# Altium PCB CPU_CARD.pcbdoc (part 6 of 10) (continued)
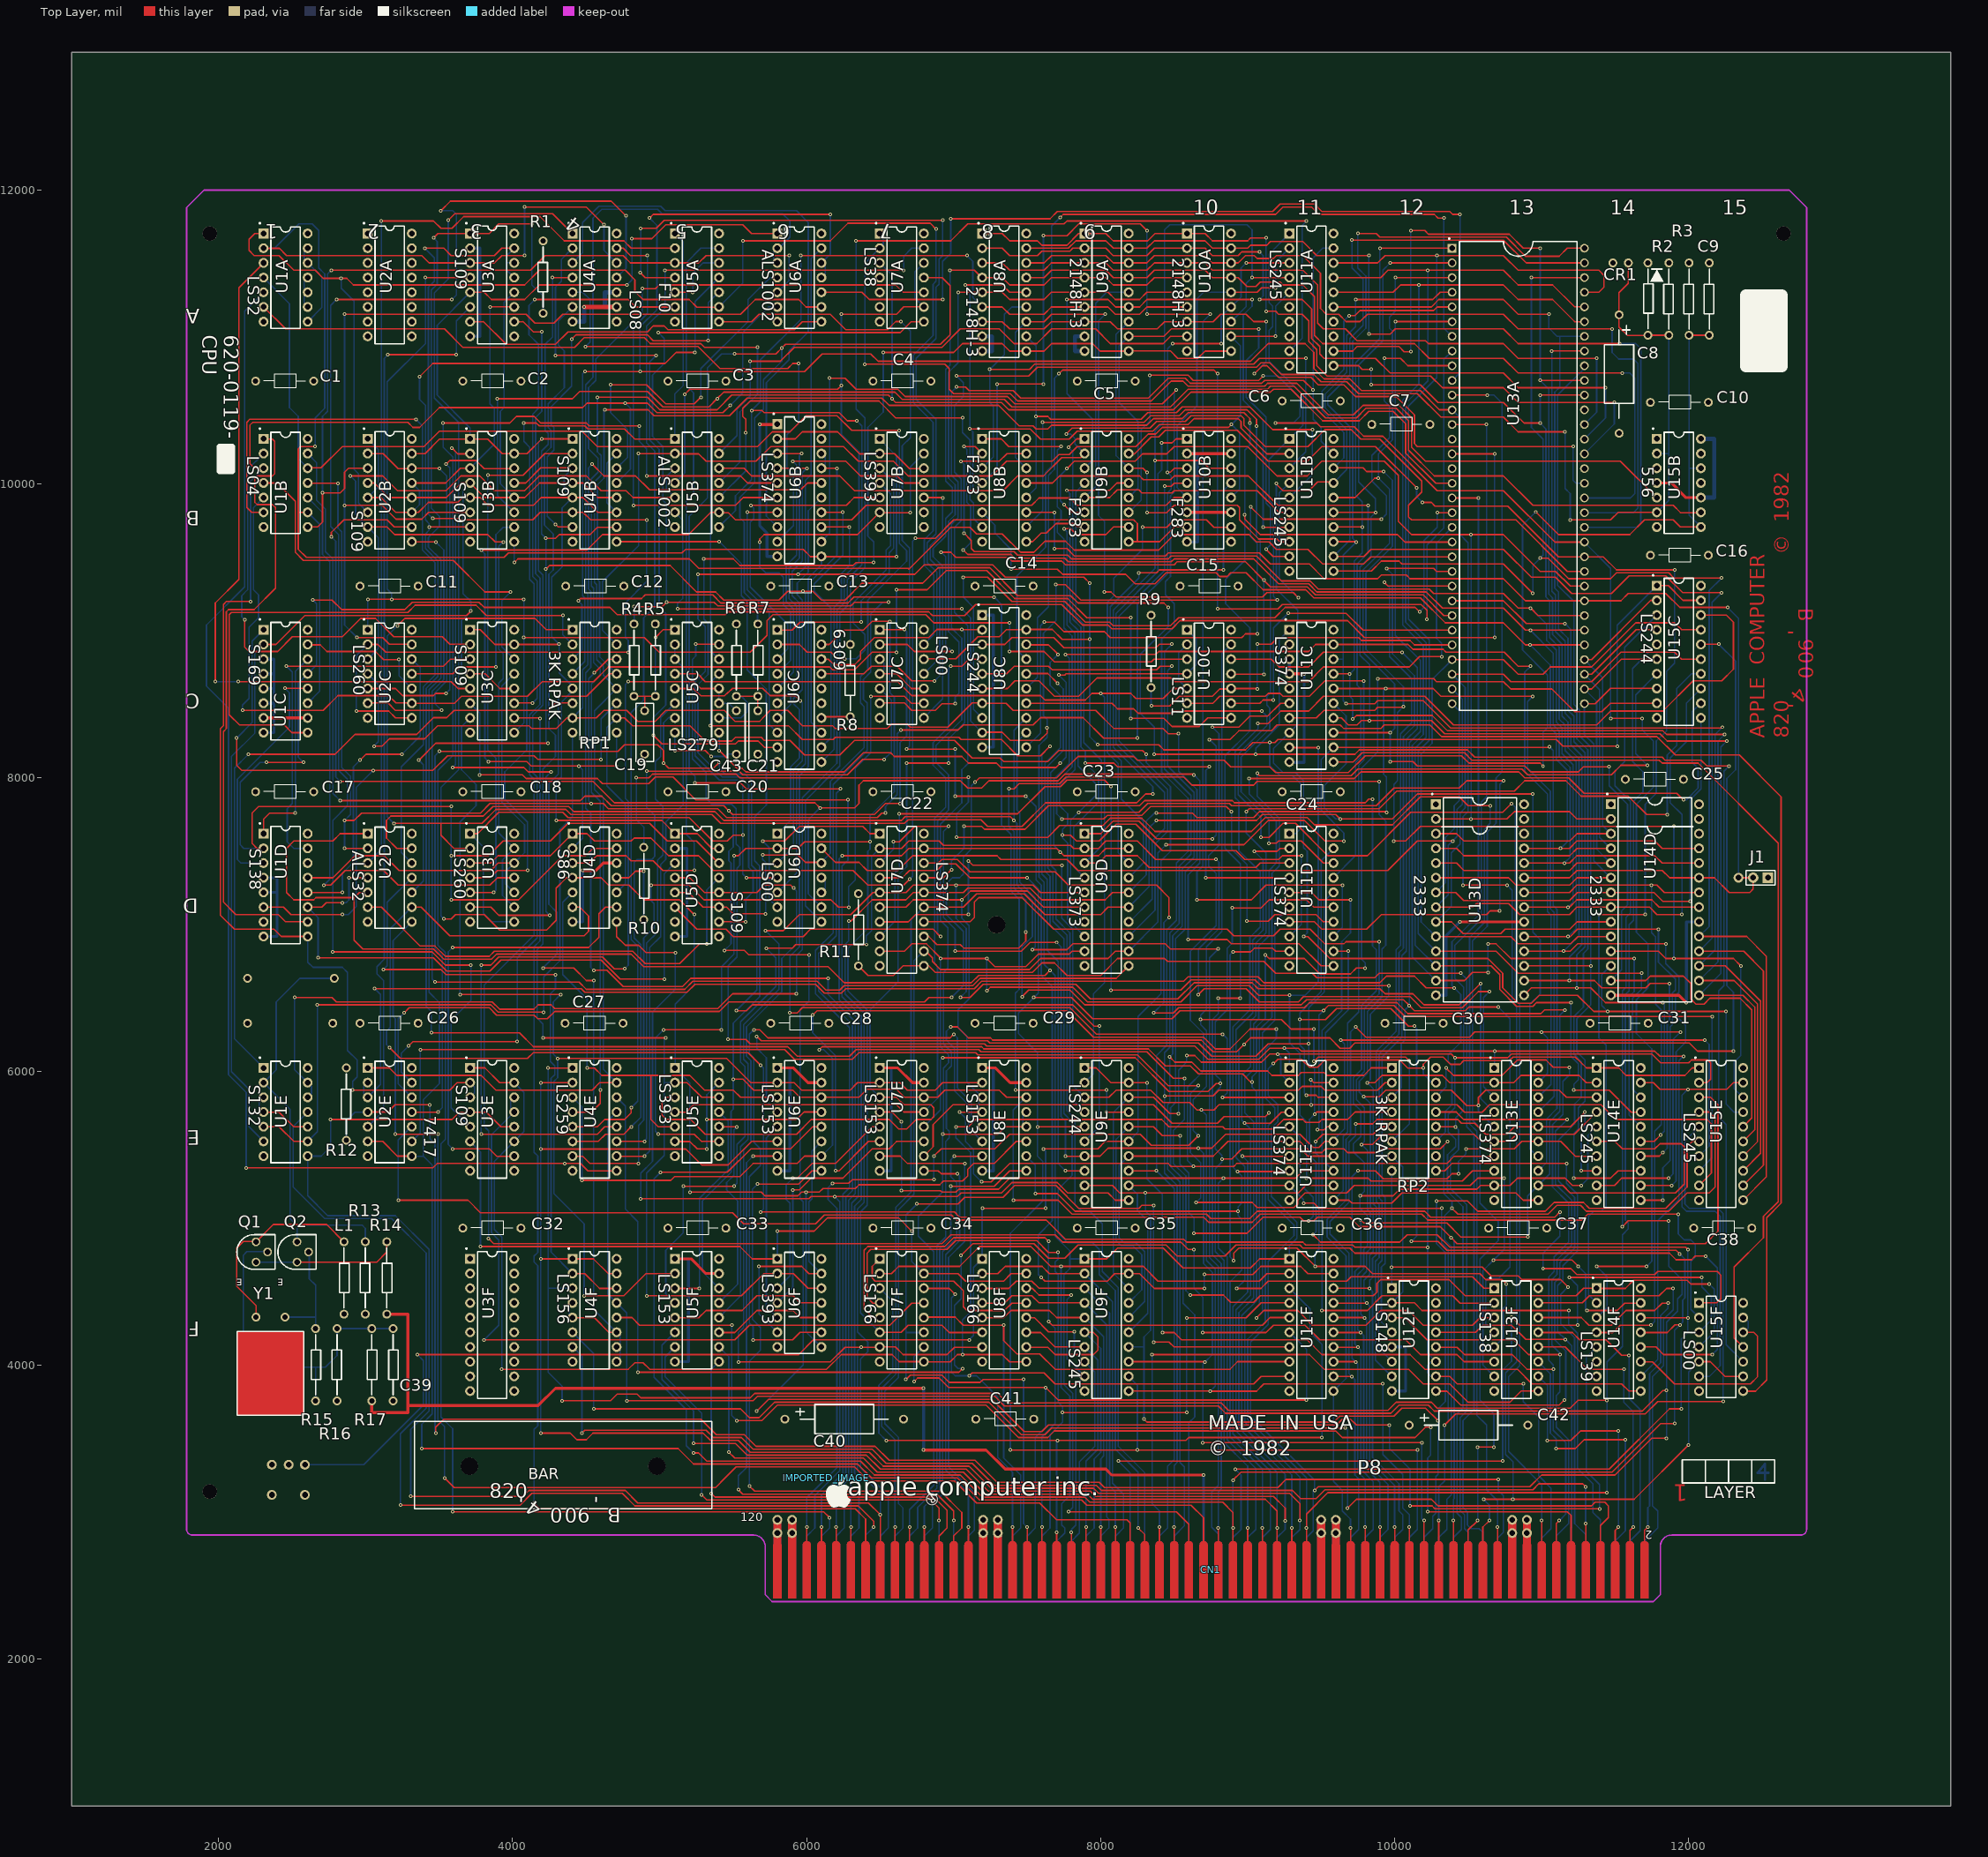
[diagram p0: Top Layer view]
## Nets (pads, with @x,y where several pads share a name; then routed paths per layer and width w, separated by ;. In a path a pad name is that pad's centre, name@x,y a point inside that pad or via, vN(x,y) a via of type N, cw(c..) or ccw(c..) an arc to the next point about the centre after c; other vN are vias at no path point) (continued)
  Bottom Layer w10: v1(6926.7,11252.2) 6926.7,11512.2 6981.7,11567.2 v1(6981.7,11802.2) ; U13A.10@10392.71,10701.93 10446.7,10755.92 v1(10446.7,11832.2)
/CMUX: U4B.9 U5F.14 U6E.14 U7E.14 U8E.14 U15F.1 | length 14859.7
  Top Layer w10: U4B.9@4707.68,9604.3 v1(5406.7,9604.29) ; v1(5501.7,5946.33) 5567.6,5946.3 5641.7,5872.2 5906.7,5872.2 5956.7,5822.2 U6E.14@6101.38,5822.81 6356.7,5822.8 6411.1,5877.2 6611.7,5877.2 6666.1,5822.8 U7E.14@6798.23,5822.81 6892.3,5822.8 6941.7,5872.2 7311.7,5872.2 7361.1,5822.8 U8E.14@7495.08,5822.81 ; v1(7406.7,5122.2) 7711.7,5122.2 7806.7,5027.2 8721.7,5027.2 8751.7,4997.2 9016.7,4997.2 9066.7,5047.2 10206.7,5047.2 10246.7,5007.2 11091.7,5007.2 v1(11126.7,5042.2) ; v1(11011.7,4657.2) 11201.7,4657.2 11241.7,4617.2 11771.7,4617.2 11791.7,4637.2 12196.7,4637.2 12221.7,4612.2 12221.7,4452.2 12193.1,4423.6 U15F.1@12073.02,4423.59
  Bottom Layer w10: U5F.14@5404.53,4523.6 5291.7,4636.4 5291.7,5117.2 5486.7,5312.2 5486.7,5727.2 5501.7,5742.2 v1(5501.7,5946.33) 5501.7,6327.2 5681.7,6507.2 5681.7,7397.2 5646.7,7432.2 5646.7,7732.2 5726.7,7812.2 5726.7,8602.2 5596.7,8732.2 5596.7,9197.2 5556.7,9237.2 5556.7,9454.3 v1(5406.7,9604.29) ; v1(7406.7,5122.2) 7406.7,5737.2 7492.3,5822.8 U8E.14@7495.08,5822.81 ; v1(11011.7,4657.2) 11011.7,4762.2 11126.7,4877.2 v1(11126.7,5042.2)
/CPUC1: U2B.7 U2C.3 U3D.9 U3D.13 U5B.3 U5B.5 | length 7634.4
  Top Layer w10: v1(2896.7,10052.2) 3116.7,10052.2 3216.7,9952.2 3546.7,9952.2 3646.7,10052.2 3776.7,10052.2 3876.7,9952.2 4081.7,9952.2 4181.7,10052.2 4501.7,10052.2 4601.7,9952.2 4771.7,9952.2 4819.6,9904.3 U5B.5@5104.53,9904.29 ; U2B.7@3013.99,9704.29 3144.6,9704.3 3196.7,9652.2 3831.7,9652.2 3881.7,9602.2 v1(3936.7,9602.2)
  Bottom Layer w10: v1(2896.7,10052.2) 2931.7,10017.2 2931.7,9786.6 U2B.7@3013.99,9704.29 3086.7,9631.6 3086.7,8877.8 U2C.3@3013.98,8805.08 ; v1(3936.7,9602.2) 3906.7,9572.2 3906.7,8872.2 3936.7,8842.2 3936.7,8672.2 3906.7,8642.2 3906.7,7621.4 U3D.13@4010.83,7517.29 3931.7,7438.2 3931.7,7196.4 U3D.9@4010.83,7117.29 ; U5B.5@5104.53,9904.29 5046.7,9962.1 5046.7,10046.5 U5B.3@5104.53,10104.29
/CSYNC: CN1.67 U6B.12 U9E.13 | length 12173.5
  Top Layer w10: v1(6156.7,10717.2) 6261.7,10717.2 6336.7,10642.2 6621.7,10642.2 6671.7,10592.2 7366.7,10592.2 7416.7,10542.2 8421.7,10542.2 v1(8516.7,10637.2) ; U9E.13@8191.92,5322.8 8381.1,5322.8 v1(8381.7,5322.2)
  Bottom Layer w10: U6B.12@6101.38,9604.29 6101.38,9606.88 6156.7,9662.2 v1(6156.7,10717.2) ; CN1.67@8401.8,2607.24 8401.85,2837.35 8456.7,2892.2 8456.7,3312.2 8501.7,3357.2 8501.7,5202.2 v1(8381.7,5322.2) 8381.7,6107.2 8451.7,6177.2 8451.7,6962.2 8516.7,7027.2 8516.7,7417.2 8596.7,7497.2 8596.7,7857.2 8416.7,8037.2 8416.7,8942.2 8501.7,9027.2 8501.7,9182.2 8441.7,9242.2 8441.7,9332.2 8476.7,9367.2 8476.7,9917.2 8501.7,9942.2 8501.7,10622.2 v1(8516.7,10637.2)
/DBON: U14E.19 U15E.19 U15F.6 | length 3028.2
  Top Layer w10: U14E.19@11676.17,5922.8 11761.7,5922.8 11807.3,5877.2 v1(11996.7,5877.2) 12261.7,5877.2 12306.7,5922.2 U15E.19@12373.02,5922.8
  Bottom Layer w10: v1(11996.7,5877.2) 11956.7,5837.2 11956.7,5077.2 11986.7,5047.2 12181.7,5047.2 12216.7,5012.2 12216.7,3997.2 12141.7,3922.2 12074.4,3922.2 U15F.6@12073.02,3923.59
/DTACK: CN1.62 R1.1 U2E.6 U2E.8 U3A.1 | length 16155.8
  Top Layer w10: U2E.6@3013.98,5522.8 3116.1,5522.8 3216.1,5422.8 U2E.8@3313.98,5422.8 ; v1(3381.7,3432.2) 5126.7,3432.2 5231.7,3327.2 6346.7,3327.2 6441.7,3232.2 7026.7,3232.2 7176.7,3082.2 7871.7,3082.2 7906.7,3047.2 8616.7,3047.2 8701.88,2962.02 8701.88,2607.2 ; v1(3461.7,11672.2) 3491.7,11702.2 U3A.1@3710.8,11702.2 ; U3A.1@3710.83,11701.93 3841.4,11701.9 3906.7,11767.2 v1(4131.7,11767.2)
  Bottom Layer w10: U2E.8@3313.98,5422.8 3391.7,5422.2 ; v1(3381.7,3432.2) 3381.7,3597.2 3451.7,3667.2 3451.7,5362.2 3391.7,5422.2 ; v1(3461.7,11672.2) 3486.7,11647.2 3486.7,11357.2 3446.7,11317.2 3446.7,9832.2 3501.7,9777.2 3501.7,9707.2 3426.7,9632.2 3426.7,9567.2 3511.7,9482.2 3511.7,8677.2 3431.7,8597.2 3431.7,6537.2 3501.7,6467.2 3501.7,5917.2 3391.7,5807.2 3391.7,5422.2 ; v1(4131.7,11767.2) 4131.7,11352.2 4207.7,11276.2 R1.1@4207.7,11158.8
/HDER: CN1.112 R7.1 U7A.11 | length 13747.5
  Top Layer w10: v1(5241.7,7962.2) 5551.7,7962.2 5591.7,7922.2 v1(6231.7,7922.2) ; v1(5511.7,10882.2) 5791.7,10882.2 v1(5831.7,10922.2) 5856.7,10947.2 6911.7,10947.2 6976.7,11012.2 6976.7,11347.2 6922,11401.9 U7A.11@6798.23,11401.92 ; CN1.112@6201.56,2607.22 6201.61,2897.11 v1(6201.7,2897.2) 6201.7,2895.35 v1@6203.27,2893.78
  Bottom Layer w10: v1(5241.7,7962.2) 5241.7,8007.2 5201.7,8047.2 5201.7,9777.2 5326.7,9902.2 5326.7,10787.2 5421.7,10882.2 v1(5511.7,10882.2) ; R7.1@5668.3,9044.47 5666.7,9046.1 5666.7,9167.2 5576.7,9257.2 5576.7,9737.2 5546.7,9767.2 5546.7,9907.2 5646.7,10007.2 5646.7,10447.2 5706.7,10507.2 5706.7,10707.2 5831.7,10832.2 v1(5831.7,10922.2) ; v1(6201.7,2897.2) 6201.7,3177.2 6266.7,3242.2 6266.7,5142.2 6311.7,5187.2 6311.7,6317.2 6081.7,6547.2 6081.7,6802.2 6201.7,6922.2 6201.7,7892.2 v1(6231.7,7922.2)
/HDMSK: C43.2 U4E.12 U5C.11 U5C.12 | length 5981.2
  Top Layer w10: v1(3786.7,5572.2) 4576.7,5572.2 4626.7,5622.2 U4E.12@4707.68,5622.81 ; v1(3786.7,6722.2) 3851.7,6722.2 3906.7,6777.2 4611.7,6777.2 4691.7,6697.2 v1(4761.7,6697.2) ; v1(4786.7,8652.2) 5234.57,8652.2 5281.7,8605.07 U5C.12@5404.53,8605.08
  Bottom Layer w10: v1(3786.7,5572.2) v1(3786.7,6722.2) ; v1(4761.7,6697.2) 4786.7,6722.2 4786.7,7837.2 4766.7,7857.2 4766.7,8632.2 v1(4786.7,8652.2) ; U5C.12@5404.53,8605.08 U5C.11@5404.53,8505.08 5471.43,8505.07 C43.2@5522.6,8453.9
/HPIR: U10C.12 U12F.4 | length 6045.7
  Top Layer w10: U10C.12@8888.77,8805.08 9161.7,8805.08 9214.58,8752.2 9416.7,8752.2 9516.7,8852.2 v1(10051.7,8852.2)
  Bottom Layer w10: U12F.4@9982.48,4223.6 9911.7,4294.4 9911.7,4667.2 9936.7,4692.2 9936.7,5142.2 9916.7,5162.2 9916.7,6097.2 10051.7,6232.2 10051.7,6787.2 10081.7,6817.2 10081.7,8257.2 10156.7,8332.2 10156.7,8747.2 v1(10051.7,8852.2)
/HSYNC: CN1.111 U6B.16 | length 10970.3
  Top Layer w10: v1(4541.7,10132.2) 4621.7,10052.2 4836.7,10052.2 4931.7,9957.2 5959.6,9957.2 6006.7,10004.3 U6B.16@6101.38,10004.29 ; v1(4551.7,6687.2) 4641.7,6687.2 4751.7,6577.2 5156.7,6577.2 5211.7,6632.2 6026.7,6632.2 v1(6146.7,6632.2)
  Bottom Layer w10: v1(4541.7,10132.2) 4516.7,10107.2 4516.7,9282.2 4531.7,9267.2 4531.7,8747.2 4496.7,8712.2 4496.7,7790.7 4498.2,7790.7 4531.7,7757.2 4531.7,6707.2 v1(4551.7,6687.2) ; v1(6146.7,6632.2) 6146.7,6522.2 6331.7,6337.2 6331.7,5167.2 6286.7,5122.2 6286.7,3222.2 6256.7,3192.2 6256.7,2892.2 6201.61,2837.11 CN1.111@6201.56,2607.24
/IAK0: CN1.8 U4F.6 | length 8722.2
  Top Layer w10: v1(4551.7,3702.2) 5551.7,3702.2 5611.7,3642.2 5676.7,3642.2 5781.7,3747.2 7241.7,3747.2 7461.7,3527.2 7621.7,3527.2 7666.7,3572.2 v1(9666.7,3572.2) ; v1(9681.7,3027.2) 9741.7,3087.2 10251.7,3087.2 10296.7,3042.2 11341.7,3042.2 11366.7,3067.2 11431.7,3067.2 11456.7,3042.2 11456.7,2962.2 11402.17,2907.67 11402.17,2607.2
  Bottom Layer w10: U4F.6@4407.68,4223.6 4551.7,4079.59 v1(4551.7,3702.2) ; v1(9666.7,3572.2) 9681.7,3557.2 v1(9681.7,3027.2)
/IAK1: CN1.10 U4F.7 | length 8260.2
  Top Layer w10: v1(4471.7,3537.2) 4491.7,3557.2 5316.7,3557.2 5366.7,3507.2 5556.7,3507.2 5636.7,3427.2 6446.7,3427.2 6541.7,3332.2 7126.7,3332.2 7276.7,3182.2 7971.7,3182.2 8006.7,3147.2 9306.7,3147.2 9361.7,3092.2 9466.7,3092.2 9526.7,3152.2 10941.7,3152.2 10981.7,3192.2 11281.7,3192.2 v1(11301.7,3172.2) ; v1(11301.7,2922.2) 11302.16,2921.74 11302.16,2607.2
  Bottom Layer w10: U4F.7@4407.68,4123.6 4410.31,4123.6 4471.7,4062.2 v1(4471.7,3537.2) ; v1(11301.7,2922.2) v1(11301.7,3172.2)
/IAK2: CN1.12 U4F.12 | length 8329.5
  Top Layer w10: U4F.12@4707.68,4323.6 4811.7,4323.6 4863.09,4272.2 v1(5491.7,4272.2) ; v1(5526.7,3622.2) 5696.7,3622.2 5801.7,3727.2 7221.7,3727.2 7441.7,3507.2 7641.7,3507.2 7686.7,3552.2 9601.7,3552.2 9646.7,3507.2 10141.7,3507.2 10211.7,3577.2 v1(10246.7,3577.2) ; v1(10226.7,3002.2) 11176.7,3002.2 11202.14,2976.76 CN1.12@11202.09,2607.22
  Bottom Layer w10: v1(5491.7,4272.2) 5491.7,3657.2 v1(5526.7,3622.2) ; v1(10226.7,3002.2) 10226.7,3367.2 10246.7,3387.2 v1(10246.7,3577.2)
/INITIO: CN1.68 U13F.9 | length 4279.6
  Top Layer w10: v1(8351.7,4072.2) 9421.7,4072.2 9521.7,3972.2 10096.7,3972.2 10196.7,3872.2 10376.7,3872.2 10501.7,3747.2 10786.7,3747.2 10863.1,3823.6 U13F.9@10979.32,3823.6 ; v1(8401.7,2897.2) 8401.84,2897.06 CN1.68@8401.8,2607.23
  Bottom Layer w10: v1(8351.7,4072.2) 8351.7,3057.2 8401.7,3007.2 v1(8401.7,2897.2)
/INT0: CN1.7 RP2.7 U12F.2 | length 4140.4
  Top Layer w10: U12F.2@9982.48,4423.6 10136.7,4423.6 10188.09,4372.2 v1(11186.7,4372.2)
  Bottom Layer w10: U12F.2@9982.48,4423.6 10056.7,4497.8 10056.7,5348.59 RP2.7@9982.48,5422.81 ; v1(11186.7,4372.2) 11186.7,4277.2 11246.7,4217.2 11246.7,3297.2 11351.7,3192.2 11351.7,2997.2 11402.18,2946.72 11402.18,2607.2
/INT1: CN1.9 RP2.8 U12F.1 | length 4072.1
  Top Layer w10: v1(9981.7,4667.2) 10596.7,4667.2 10656.7,4607.2 10836.7,4607.2 10841.7,4607.2 10866.7,4582.2 11131.7,4582.2 v1(11181.7,4532.2)
  Bottom Layer w10: U12F.1@9982.48,4523.6 9981.7,4524.4 v1(9981.7,4667.2) 9981.7,5322 RP2.8@9982.48,5322.81 ; v1(11181.7,4532.2) 11131.7,4482.2 11131.7,4282.2 11226.7,4187.2 11226.7,2922.2 11302.17,2846.73 11302.17,2607.2
/INT2: CN1.11 RP2.9 U12F.13 | length 4744.7
  Top Layer w10: U12F.13@10282.48,4223.6 10553.1,4223.6 10601.7,4272.2 10796.7,4272.2 10893.9,4175 v1(11163.91,4174.99) ; RP2.9@10282.48,5322.81 10342.3,5322.8 10391.7,5372.2 v1(11171.7,5372.2)
  Bottom Layer w10: v1(11171.7,5372.2) 11171.7,5237.2 11246.7,5162.2 11246.7,4777.2 11146.7,4677.2 11146.7,4577.2 11111.7,4542.2 11111.7,4227.2 v1(11163.91,4174.99) 11206.7,4132.2 11206.7,2897.2 11202.15,2892.65 CN1.11@11202.09,2607.23
/IO: RP1.1 U3D.2 U10A.12 U10B.14 U11A.4 | length 14514.7
  Top Layer w10: v1(3191.7,7687.2) 3791.7,7687.2 3886.7,7782.2 4361.7,7782.2 4396.7,7747.2 5356.7,7747.2 5416.7,7687.2 6666.7,7687.2 6691.7,7712.2 7186.7,7712.2 7231.7,7667.2 7466.7,7667.2 7626.7,7827.2 8246.7,7827.2 8306.7,7887.2 v1(8356.7,7887.2) ; v1(3216.7,9032.2) 3266.7,9082.2 4151.7,9082.2 4228.8,9005.1 RP1.1@4407.68,9005.08 ; 3511.7,7687.2 3511.7,7607.2 3601.6,7517.3 U3D.2@3710.83,7517.29 ; v1(8371.7,10157.2) 8686.7,10157.2 8739.6,10104.3 U10B.14@8888.78,10104.29 ; v1(9031.7,11401.92) U11A.4@9285.62,11401.92
  Bottom Layer w10: v1(3191.7,7687.2) 3146.7,7732.2 3146.7,8962.2 v1(3216.7,9032.2) ; v1(8356.7,7887.2) 8356.7,7937.2 8086.7,8207.2 8086.7,9137.2 8371.7,9422.2 v1(8371.7,10157.2) 8371.7,10357.2 8436.7,10422.2 8436.7,11727.2 8471.7,11762.2 8996.7,11762.2 9031.7,11727.2 v1(9031.7,11401.92) 8991.7,11361.9 8991.7,11204.8 U10A.12@8888.77,11101.92
/IOCY: U4B.7 U5A.10 | length 2811.8
  Top Layer w10: v1(4291.7,9722.2) 4309.6,9704.3 U4B.7@4407.68,9704.3 ; v1(4401.7,10982.2) 4431.7,11012.2 4916.7,11012.2 4956.7,10972.2 5041.7,10972.2 v1(5331.7,10972.2)
  Bottom Layer w10: v1(4291.7,9722.2) 4236.7,9777.2 4236.7,10182.2 4281.7,10227.2 4281.7,10382.2 4261.7,10402.2 4261.7,10522.2 4401.7,10662.2 v1(4401.7,10982.2) ; v1(5331.7,10972.2) 5331.7,11232.2 5401.42,11301.92 U5A.10@5404.53,11301.92
/IOIR: CN1.15 RP2.10 U2E.10 U12F.10 U12F.11 | length 11341.9
  Top Layer w10: v1(3221.7,5122.2) 3696.7,5122.2 3781.7,5037.2 5496.7,5037.2 5571.7,4962.2 6061.7,4962.2 6121.7,5022.2 6986.7,5022.2 7021.7,4987.2 7631.7,4987.2 7761.7,4857.2 8566.7,4857.2 8586.7,4837.2 9376.7,4837.2 9396.7,4817.2 9716.7,4817.2 9731.7,4802.2 v1(10226.7,4802.2) ; U12F.10@10282.48,3923.6 10376.7,3923.59 10428.09,3872.2 v1(10876.7,3872.2)
  Bottom Layer w10: v1(3221.7,5122.2) 3221.7,5532.2 3312.3,5622.8 U2E.10@3313.98,5622.8 ; U12F.10@10282.48,3923.6 10281.1,3922.2 10251.7,3922.2 10226.7,3947.2 10226.7,3997.2 10253.1,4023.6 U12F.11@10282.48,4023.6 10226.7,4079.39 v1(10226.7,4802.2) 10226.7,5367.01 RP2.10@10282.48,5422.81 ; v1(10876.7,3872.2) 10876.7,3752.2 10981.7,3647.2 10981.7,3247.2 11066.7,3162.2 11066.7,2887.2 11002.13,2822.63 CN1.15@11002.07,2607.24
/KBIR: CN1.14 RP2.14 U12F.12 | length 5658.4
  Top Layer w10: U12F.12@10282.48,4123.6 10283.88,4122.2 10426.7,4122.2 10476.7,4072.2 10802.52,4072.2 10902.52,3972.2 v1(11081.7,3972.2) ; v1(10351.7,6022.2) 10401.7,5972.2 10731.7,5972.2 10836.7,6077.2 11031.7,6077.2 11081.7,6027.2 v1(11191.7,6027.2) ; CN1.14@11102.09,2607.22 11102.14,2921.84 v1(11122.55,2942.2)
  Bottom Layer w10: RP2.14@10282.48,5822.81 10351.7,5892.01 v1(10351.7,6022.2) ; v1(11122.55,2942.2) 11166.7,2986.36 11166.7,3472.2 11081.7,3557.2 v1(11081.7,3972.2) 11081.7,4002.2 11051.7,4032.2 11051.7,4602.2 11086.7,4637.2 11086.7,4737.2 11186.7,4837.2 11186.7,5102.2 11076.7,5212.2 11076.7,5637.2 11146.7,5707.2 11146.7,5932.2 11191.7,5977.2 v1(11191.7,6027.2)
/LDMA: CN1.23 R11.2 U7D.11 | length 8564.4
  Top Layer w10: R11.2@6352.6,6717.3 6417.7,6652.2 6591.7,6652.2 6656.7,6717.2 U7D.11@6798.23,6717.29 6831.6,6717.3 6876.7,6672.2 7536.7,6672.2 7601.7,6737.2 7686.7,6737.2 7771.7,6652.2 8001.7,6652.2 8116.7,6767.2 8436.7,6767.2 8456.7,6747.2 9111.7,6747.2 9191.7,6667.2 9441.7,6667.2 9471.7,6637.2 9866.7,6637.2 9896.7,6667.2 v1(10451.7,6667.2)
  Bottom Layer w10: v1(10451.7,6667.2) 10491.7,6627.2 10491.7,5622.2 10541.7,5572.2 10541.7,3697.2 10466.7,3622.2 10466.7,3032.2 10496.7,3002.2 10496.7,2912.2 10521.7,2887.2 10576.7,2887.2 10602.09,2861.81 10602.09,2607.2
/LDS: CN1.65 RP2.1 U8C.5 | length 9322.1
  Top Layer w10: U8C.5@7195.07,8705.08 7361.7,8705.1 7413.8,8757.2 7646.7,8757.2 7671.7,8732.2 8381.7,8732.2 8406.7,8757.2 v1(8486.7,8757.2) ; v1(8471.7,6097.2) 8506.7,6062.2 8621.7,6062.2 8681.7,6002.2 9136.7,6002.2 9166.7,5972.2 9346.7,5972.2 9366.7,5992.2 9521.7,5992.2 9541.7,5972.2 9791.7,5972.2 9842.3,6022.8 RP2.1@9982.48,6022.81
  Bottom Layer w10: v1(8486.7,8757.2) 8456.7,8727.2 8456.7,8077.2 8636.7,7897.2 8636.7,7457.2 8556.7,7377.2 8556.7,6987.2 8491.7,6922.2 8491.7,6117.2 v1(8471.7,6097.2) 8471.7,5787.2 8456.7,5772.2 8456.7,5332.2 8541.7,5247.2 8541.7,3337.2 8571.7,3307.2 8571.7,2907.2 8501.86,2837.36 8501.86,2607.2
/MALE: U2B.10 U6D.9 U11D.11 | length 11397.1
  Top Layer w10: v1(2766.7,9637.2) 2766.7,9667.2 2851.7,9752.2 3146.7,9752.2 3194.6,9704.3 U2B.10@3313.99,9704.29 ; v1(2826.7,7972.2) 4546.7,7972.2 4691.7,7827.2 6056.7,7827.2 v1(6091.7,7792.2) 6326.7,7792.2 6356.7,7822.2 6356.7,7947.2 6386.7,7977.2 7046.7,7977.2 7096.7,7927.2 7191.7,7927.2 7241.7,7977.2 7711.7,7977.2 7756.7,8022.2 8631.7,8022.2 v1(8636.7,8017.2) ; v1(8596.7,6897.2) 8861.7,6897.2 8891.7,6867.2 9351.7,6867.2 9501.7,6717.2 U11D.11@9585.62,6717.29
  Bottom Layer w10: v1(2766.7,9637.2) 2796.7,9607.2 2796.7,8002.2 v1(2826.7,7972.2) ; v1(6091.7,7792.2) 6011.7,7712.2 6011.7,7207 U6D.9@6101.38,7117.29 ; v1(8596.7,6897.2) 8596.7,7337.2 8676.7,7417.2 8676.7,7977.2 v1(8636.7,8017.2)
/MDEN: U5A.8 U9F.19 U11F.19 | length 11042.6
  Top Layer w10: U5A.8@5404.53,11101.92 5626.7,11101.9 5677,11152.2 6161.7,11152.2 6266.7,11047.2 6551.7,11047.2 6606.7,11102.2 v1(6641.7,11102.2) ; v1(6681.7,8192.2) v1(7011.7,8192.2) ; v1(7011.7,7872.2) 7081.7,7872.2 v1(7491.7,7872.2) ; v1(7596.7,4597.2) 7621.7,4572.2 8046.7,4572.2 8096.7,4622.2 8190.53,4622.2 U9F.19@8191.92,4623.59 8266.7,4623.6 8266.7,4622.2 8366.7,4522.2 v1(8706.7,4522.2) ; v1(8706.7,4617.2) 9036.7,4617.2 9091.7,4672.2 9361.7,4672.2 9411.7,4622.2 9584.23,4622.2 U11F.19@9585.62,4623.59
  Bottom Layer w10: v1(6641.7,11102.2) 6706.7,11037.2 6706.7,10312.2 6651.7,10257.2 6651.7,9611.8 6701.7,9561.8 6701.7,8212.2 v1(6681.7,8192.2) ; v1(7011.7,7872.2) v1(7011.7,8192.2) ; v1(7491.7,7872.2) 7561.7,7802.2 7561.7,7302.2 7596.7,7267.2 7596.7,6652.2 7671.7,6577.2 7671.7,4982.2 7576.7,4887.2 7576.7,4617.2 v1(7596.7,4597.2) ; v1(8706.7,4522.2) v1(8706.7,4617.2)
/MEM: RP1.15 U5B.2 U10A.11 U10B.12 U11A.5 | length 7603.2
  Top Layer w10: v1(4856.7,10204.29) U5B.2@5104.53,10204.29 ; U5B.2@5104.53,10204.29 5106.6,10202.2 5266.7,10202.2 5316.7,10152.2 5656.7,10152.2 5756.7,10252.2 6251.7,10252.2 6351.7,10152.2 6591.7,10152.2 6691.7,10052.2 7261.7,10052.2 7361.7,10152.2 7671.7,10152.2 7716.7,10197.2 7786.7,10197.2 7841.7,10252.2 8240.6,10252.2 8325.6,10337.2 8376.7,10337.2 8421.7,10382.2 8871.7,10382.2 v1(8891.7,10402.2) ; U10A.11@8888.77,11001.92 8889.1,11002.2 v1(9191.7,11002.2)
  Bottom Layer w10: RP1.15@4707.68,8905.08 4611.7,9001.1 4611.7,9332.2 4856.7,9577.2 v1(4856.7,10204.29) ; U10B.12@8888.78,9904.29 8946.7,9962.19 8946.7,10347.2 v1(8891.7,10402.2) 8951.7,10462.2 8951.7,10937.2 8888.8,11000.1 U10A.11@8888.77,11001.92 ; v1(9191.7,11002.2) 9191.7,11207.2 9285.62,11301.12 U11A.5@9285.62,11301.92
/MMUIO: U1B.13 U7C.1 U14F.5 | length 20148.6
  Top Layer w10: v1(2826.7,7842.2) 4461.7,7842.2 4491.7,7872.2 4606.7,7872.2 4671.7,7807.2 5436.7,7807.2 v1(5471.7,7772.2) 5496.7,7747.2 6461.7,7747.2 6536.7,7822.2 v1(6636.7,7822.2) ; v1(5441.7,6822.2) 5576.7,6822.2 5606.7,6792.2 v1(6016.7,6792.2) ; v1(5661.7,3687.2) 5741.7,3767.2 7261.7,3767.2 7481.7,3547.2 7601.7,3547.2 7646.7,3592.2 9606.7,3592.2 9646.7,3632.2 9701.7,3632.2 9741.7,3592.2 v1(9966.7,3592.2) ; U7C.1@6498.23,9005.08 6664.58,9005.08 v1(6666.7,9007.2) ; v1(10106.7,3042.2) 10256.7,3042.2 10276.7,3022.2 v1(11396.7,3022.2)
  Bottom Layer w10: U1B.13@2605.32,10204.29 2666.7,10142.2 2666.7,9887.2 2726.7,9827.2 2726.7,9537.2 2776.7,9487.2 2776.7,7892.2 v1(2826.7,7842.2) ; v1(5441.7,6822.2) 5486.7,6867.2 5486.7,7417.2 5471.7,7432.2 5471.7,7497.2 5501.7,7527.2 5501.7,7742.2 v1(5471.7,7772.2) ; v1(5661.7,3687.2) 5976.7,4002.2 5976.7,5112.2 5956.7,5132.2 5956.7,6417.2 6016.7,6477.2 v1(6016.7,6792.2) ; v1(6636.7,7822.2) 6636.7,8237.2 6681.7,8282.2 6681.7,8992.2 v1(6666.7,9007.2) ; v1(9966.7,3592.2) 9966.7,3432.2 10106.7,3292.2 v1(10106.7,3042.2) ; U14F.5@11376.17,4123.6 11306.7,4054.1 11306.7,3277.2 11396.7,3187.2 v1(11396.7,3022.2)
/NMI: CN1.116 RP2.6 U10C.13 | length 11318.2
  Top Layer w10: 6001.58,2607.2 6001.58,2897.08 v1(6001.7,2897.2) ; v1(6176.7,5237.2) 6286.7,5237.2 6311.7,5262.2 v1(6866.7,5262.2) ; v1(6866.7,5422.2) 6916.7,5472.2 7281.7,5472.2 7381.7,5572.2 8271.7,5572.2 8346.7,5497.2 8601.7,5497.2 v1(8666.7,5562.2) ; v1(8681.7,6352.2) 9231.7,6352.2 9296.7,6287.2 v1(9451.7,6287.2) ; v1(9451.7,6067.2) 9481.7,6097.2 10076.7,6097.2 v1(10101.7,6072.2)
  Bottom Layer w10: v1(6001.7,2897.2) 6001.7,3097.2 6206.7,3302.2 6206.7,5067.2 6146.7,5127.2 6146.7,5207.2 v1(6176.7,5237.2) ; v1(6866.7,5262.2) v1(6866.7,5422.2) ; v1(8666.7,5562.2) 8631.7,5597.2 8631.7,5807.2 8721.7,5897.2 8721.7,6277.2 8681.7,6317.2 v1(8681.7,6352.2) 8681.7,6382.2 8721.7,6422.2 8721.7,6847.2 8826.7,6952.2 8826.7,8843 U10C.13@8888.77,8905.08 ; v1(9451.7,6067.2) v1(9451.7,6287.2) ; RP2.6@9982.48,5522.81 10101.7,5642.01 v1(10101.7,6072.2)
/RAS: CN1.109 U3C.6 | length 8492.2
  Top Layer w10: v1(3776.7,8017.2) 4066.7,8017.2 4091.7,7992.2 4576.7,7992.2 4611.7,7957.2 4926.7,7957.2 4971.7,8002.2 5091.7,8002.2 5246.7,7847.2 v1(6281.7,7847.2)
  Bottom Layer w10: U3C.6@3710.83,8505.08 3776.7,8439.2 v1(3776.7,8017.2) ; v1(6281.7,7847.2) 6281.7,7437.2 6241.7,7397.2 6241.7,6507.2 6371.7,6377.2 6371.7,5127.2 6326.7,5082.2 6326.7,3262.2 6356.7,3232.2 6356.7,2892.2 6301.63,2837.13 CN1.109@6301.58,2607.22
/RBES: U9E.1 U9E.19 U14F.9 | length 5629.8
  Top Layer w10: U9E.1@7891.92,6022.8 7971.1,6022.8 8071.7,5922.2 U9E.19@8191.92,5922.8 8192.52,5922.2 v1(8316.7,5922.2) ; v1(8421.7,4222.2) 8501.7,4222.2 8551.7,4172.2 9406.7,4172.2 9506.7,4072.2 10106.7,4072.2 10206.7,3972.2 10836.7,3972.2 10936.7,3872.2 11546.7,3872.2 11595.3,3823.6 U14F.9@11676.17,3823.6
  Bottom Layer w10: v1(8316.7,5922.2) 8316.7,5267.2 8421.7,5162.2 v1(8421.7,4222.2)
/RESET: CN1.21 R12.1 U2E.4 | length 11154.7
  Top Layer w10: U2E.4@3013.98,5722.8 3151.7,5722.8 3201.1,5772.2 v1(3436.7,5772.2) ; v1(3476.7,3537.2) 3476.7,3577.2 3531.7,3632.2 5281.7,3632.2 5386.7,3527.2 5576.7,3527.2 5656.7,3447.2 6466.7,3447.2 6561.7,3352.2 7146.7,3352.2 7296.7,3202.2 7991.7,3202.2 8026.7,3167.2 9206.7,3167.2 9261.7,3222.2 v1(10706.7,3222.2)
  Bottom Layer w10: R12.1@2868.3,5530.7 2868.3,5663.8 2926.7,5722.2 U2E.4@3013.98,5722.8 ; v1(3436.7,5772.2) 3436.7,5542.2 3471.7,5507.2 3471.7,3537.2 v1(3476.7,3537.2) ; CN1.21@10702.06,2607.22 10702.1,2822.6 10741.7,2862.2 10741.7,3112.2 10706.7,3147.2 v1(10706.7,3222.2)
/RMEA: U5C.15 U11E.1 U13E.1 U14F.10 | length 12278.9
  Top Layer w10: v1(5246.7,8907.2) 5402.41,8907.2 U5C.15@5404.53,8905.08 ; v1(5466.7,6217.2) 5586.7,6217.2 5616.7,6187.2 7211.7,6187.2 7226.7,6172.2 8641.7,6172.2 8731.7,6082.2 9076.7,6082.2 9151.7,6157.2 v1(9251.7,6157.2) 9346.7,6157.2 9366.7,6137.2 v1(10681.7,6137.2) 11771.7,6137.2 11806.7,6102.2 v1(11966.7,6102.2)
  Bottom Layer w10: v1(5246.7,8907.2) 5246.7,8827.2 5222.8,8803.3 5222.8,8126.1 5316.7,8032.2 5316.7,7857.2 5356.7,7817.2 5491.7,7817.2 5521.7,7787.2 5521.7,7547.2 5546.7,7522.2 5546.7,7402.2 5526.7,7382.2 5526.7,6777.2 5466.7,6717.2 v1(5466.7,6217.2) ; v1(9251.7,6157.2) 9285.6,6123.3 U11E.1@9285.62,6022.8 ; U13E.1@10679.32,6022.8 10681.7,6022.8 v1(10681.7,6137.2) ; U14F.10@11676.17,3923.6 11791.7,4039.1 11791.7,4982.2 11936.7,5127.2 11936.7,6072.2 v1(11966.7,6102.2)
/RO: RP1.14 U1B.11 U2D.2 U10A.13 U10B.3 U11A.3 | length 14290.4
  Top Layer w10: U1B.11@2605.32,10004.29 2605.3,10002.2 v1(2811.7,10002.2) ; v1(2856.7,7517.2) 2856.8,7517.3 U2D.2@3013.98,7517.29 ; v1(2856.7,7707.2) 2921.7,7707.2 2971.7,7757.2 3781.7,7757.2 3846.7,7822.2 v1(4534.55,7822.2) ; v1@4534.6,7822.2 4616.7,7822.2 4651.7,7787.2 5396.7,7787.2 5456.7,7727.2 6481.7,7727.2 6511.7,7757.2 v1(6536.7,7757.2) ; v1(4556.7,8712.2) 4649.6,8805.1 RP1.14@4707.68,8805.08 ; v1(6641.7,8322.2) 7031.7,8322.2 7066.7,8357.2 7541.7,8357.2 7591.7,8407.2 7881.7,8407.2 8021.7,8267.2 v1(8251.7,8267.2) ; v1(8456.7,10077.2) 8476.7,10077.2 8503.8,10104.3 U10B.3@8588.78,10104.29 ; v1(8491.7,10952.2) v1(8821.7,10952.2) ; v1(8991.7,11502.2) 9285.34,11502.2 U11A.3@9285.62,11501.92
  Bottom Layer w10: v1(2811.7,10002.2) 2811.7,9697.2 2836.7,9672.2 2836.7,8067.2 2896.7,8007.2 2896.7,7747.2 v1(2856.7,7707.2) v1(2856.7,7517.2) ; v1(4534.55,7822.2) 4517.8,7839 4517.8,8673.3 v1(4556.7,8712.2) ; v1(6536.7,7757.2) 6536.7,7802.2 6616.7,7882.2 6616.7,8297.2 v1(6641.7,8322.2) ; v1(8251.7,8267.2) 8251.7,9182.2 8456.7,9387.2 8456.7,9937.2 8481.7,9962.2 8481.7,10052.2 v1(8456.7,10077.2) 8456.7,10917.2 v1(8491.7,10952.2) ; v1(8821.7,10952.2) 8821.7,11137.2 8886.42,11201.92 U10A.13@8888.77,11201.92 ; U10A.13@8888.77,11201.92 8956.7,11269.8 8956.7,11467.2 v1(8991.7,11502.2)
/ROM: U13D.22 U14D.22 U14F.4 | length 4674.6
  Top Layer w10: U13D.22@10882.47,7217.2 11191.7,7217.2 11241.7,7267.2 v1(11750.09,7267.2) 11786.7,7267.2 11836.7,7217.2 U14D.22@12073.02,7217.29 ; U14F.4@11376.17,4223.6 11377.57,4222.2 11486.7,4222.2 11536.7,4272.2 v1(11746.7,4272.2)
  Bottom Layer w10: v1(11746.7,4272.2) 11771.7,4297.2 11771.7,5592.2 11816.7,5637.2 11816.7,6417.2 11776.7,6457.2 11776.7,6914.7 11750.1,6943.8 v1(11750.09,7267.2)
/RSIR: CN1.13 RP2.13 U12F.3 | length 5466.9
  Top Layer w10: U12F.3@9982.48,4323.6 9983.88,4322.2 10071.7,4322.2 10221.7,4172.2 10811.7,4172.2 10911.7,4072.2 v1(11126.7,4072.2) ; RP2.13@10282.48,5722.81 10421.7,5722.8 10421.7,5722.2 10471.7,5672.2 v1(11176.7,5672.2)
  Bottom Layer w10: CN1.13@11102.09,2607.22 11102.14,2837.64 11186.7,2922.2 11186.7,3492.2 11101.7,3577.2 11101.7,3792.2 11126.7,3817.2 v1(11126.7,4072.2) 11126.7,4082.2 11071.7,4137.2 11071.7,4582.2 11106.7,4617.2 11106.7,4717.2 11206.7,4817.2 11206.7,5122.2 11096.7,5232.2 11096.7,5592.2 v1(11176.7,5672.2)
/RSTSW: C8.1 CN1.101 CR1.1 pad.18 R2.1 U15B.2 U15B.6 | length 16255.3
  Top Layer w10: v1(7021.7,10732.2) 7511.7,10732.2 7571.7,10792.2 9061.7,10792.2 9091.7,10822.2 9151.7,10822.2 9231.7,10742.2 9451.7,10742.2 9501.7,10692.2 9676.7,10692.2 9756.7,10612.2 10156.7,10612.2 10316.7,10452.2 10741.7,10452.2 10841.7,10352.2 v1(11161.7,10352.2) ; v1(11196.7,9752.2) 11471.7,9752.2 11523.79,9804.29 U15B.6@11785.62,9804.29 ; pad.18@11591.7,11502.2 11591.7,11362.2 11528.92,11299.42 C8.1@11528.92,11148.94 11528.92,11064.98 11586.7,11007.2 11723.16,11007.2 CR1.1@11725.8,11009.8 R2.1@11867.5,11009.84
  Bottom Layer w10: 6701.68,2607.2 6701.68,2837.18 6756.7,2892.2 6756.7,3032.2 6886.7,3162.2 6886.7,4812.2 6946.7,4872.2 6946.7,5522.2 6971.7,5547.2 6971.7,5592.2 6951.7,5612.2 6951.7,6002.2 6986.7,6037.2 6986.7,6132.2 6931.7,6187.2 6931.7,6672.2 6961.7,6702.2 6961.7,6977.2 6911.7,7027.2 6911.7,7682.2 7056.7,7827.2 7056.7,8052.2 7096.7,8092.2 7096.7,9032.2 7006.7,9122.2 7006.7,9702.2 7051.7,9747.2 7051.7,10032.2 7006.7,10077.2 7006.7,10532.2 7066.7,10592.2 7066.7,10687.2 v1(7021.7,10732.2) ; v1(11161.7,10352.2) 11161.7,9967.2 11196.7,9932.2 v1(11196.7,9752.2) ; U15B.6@11785.62,9804.29 11867.51,9886.18 R2.1@11867.5,11009.84 ; U15B.2@11785.62,10204.29 11867.51,10204.29
/SFER: CN1.114 R4.1 U7A.8 | length 12650.9
  Top Layer w10: v1(4826.7,9162.2) 5016.7,9162.2 v1(5046.7,9192.2) 5371.7,9192.2 5396.7,9167.2 6301.7,9167.2 6326.7,9192.2 v1(6556.7,9192.2) ; v1(4991.7,11027.2) 6636.98,11027.2 6711.7,11101.92 U7A.8@6798.23,11101.92 ; CN1.114@6101.56,2607.22 6101.6,2897.11 v1(6101.7,2897.2)
  Bottom Layer w10: R4.1@4825.8,9044.47 4826.7,9045.4 v1(4826.7,9162.2) ; v1(4991.7,11027.2) 5031.7,10987.2 5031.7,10817.2 4951.7,10737.2 4951.7,10322.2 5021.7,10252.2 5021.7,9887.2 5046.7,9862.2 v1(5046.7,9192.2) ; v1(6101.7,2897.2) 6101.7,3117.2 6246.7,3262.2 6246.7,5162.2 6291.7,5207.2 6291.7,6297.2 6061.7,6527.2 6061.7,6822.2 6181.7,6942.2 6181.7,7952.2 6411.7,8182.2 6411.7,8507.2 6386.7,8532.2 6386.7,8667.2 6436.7,8717.2 6436.7,9112.2 6516.7,9192.2 v1(6556.7,9192.2)
/SFMSK: U4E.10 U5C.2 U5C.3 | length 3805.4
  Top Layer w10: U4E.10@4707.68,5422.81 v1(4896.7,5422.2)
  Bottom Layer w10: v1(4896.7,5422.2) 4931.7,5457.2 4931.7,6842.2 5006.7,6917.2 5006.7,7407.2 5041.7,7442.2 5041.7,7697.2 5161.7,7817.2 5161.7,8747.9 U5C.3@5104.53,8805.08 U5C.2@5104.53,8905.08
/SH0: CN1.2 U13F.14 | length 2846.9
  Top Layer w10: U13F.14@10979.32,4323.6 11271.7,4323.6 11323.09,4272.2 11476.7,4272.2 11576.7,4372.2 11771.7,4372.2 11821.7,4422.2 v1(11861.7,4422.2) ; 11702.2,2607.2 11702.2,2874.51 v1(11724.91,2897.2)
  Bottom Layer w10: v1(11724.91,2897.2) 11724.9,3030.4 11736.7,3042.2 11736.7,3942.2 11811.7,4017.2 11811.7,4337.2 11861.7,4387.2 v1(11861.7,4422.2)
/SH1: CN1.4 U13F.12 | length 2045.3
  Top Layer w10: U13F.12@10979.32,4123.6 11161.7,4123.59 11313.09,3972.2 v1(11561.7,3972.2) ; 11602.19,2607.2 11602.19,2874.87 v1(11624.52,2897.2)
  Bottom Layer w10: v1(11561.7,3972.2) 11561.7,3747.2 11624.5,3684.4 v1(11624.52,2897.2)
/SH2: CN1.6 U13F.10 | length 1923.2
  Top Layer w10: v1(11041.7,3487.2) 11201.7,3487.2 11266.7,3552.2 v1@11521.7,3552.2 ; 11502.18,2607.2 11502.18,2875.24 v1(11524.12,2897.2)
  Bottom Layer w10: U13F.10@10979.32,3923.6 11041.7,3861.23 v1(11041.7,3487.2) ; v1(11524.12,2897.2) v1(11524.12,3552.2)
/SL0: CN1.1 U13F.15 | length 2982.8
  Top Layer w10: U13F.15@10979.32,4423.6 11278.09,4423.59 11326.7,4472.2 11801.7,4472.2 11851.7,4522.2 v1(11896.7,4522.2)
  Bottom Layer w10: 11702.2,2607.2 11702.2,2802.7 11791.7,2892.2 11791.7,3006.8 11756.7,3041.8 11756.7,3922.2 11831.7,3997.2 11831.7,4312.2 11896.7,4377.2 v1(11896.7,4522.2)
/SL1: CN1.3 U13F.13 | length 2202
  Top Layer w10: U13F.13@10979.32,4223.6 10980.72,4222.2 11211.7,4222.2 11261.7,4172.2 11441.7,4172.2 11546.7,4067.2 v1(11596.7,4067.2)
  Bottom Layer w10: v1(11596.7,4067.2) 11596.7,3772.2 11671.7,3697.2 11671.7,2872.2 11602.19,2802.69 11602.19,2607.2
/SL2: CN1.5 U13F.11 | length 2050.7
  Top Layer w10: v1(11101.7,3432.2) 11231.7,3432.2 11291.7,3492.2 v1(11571.7,3492.2)
  Bottom Layer w10: U13F.11@10979.32,4023.6 11061.7,3941.2 11061.7,3537.2 11101.7,3497.2 v1(11101.7,3432.2) ; 11502.19,2607.2 11502.19,2802.69 11571.7,2872.2 v1(11571.7,3492.2)